# KiCad board SparkFun_GNSS_LG290P_panelized.kicad_pcb
note: Designed by: N. Seidle
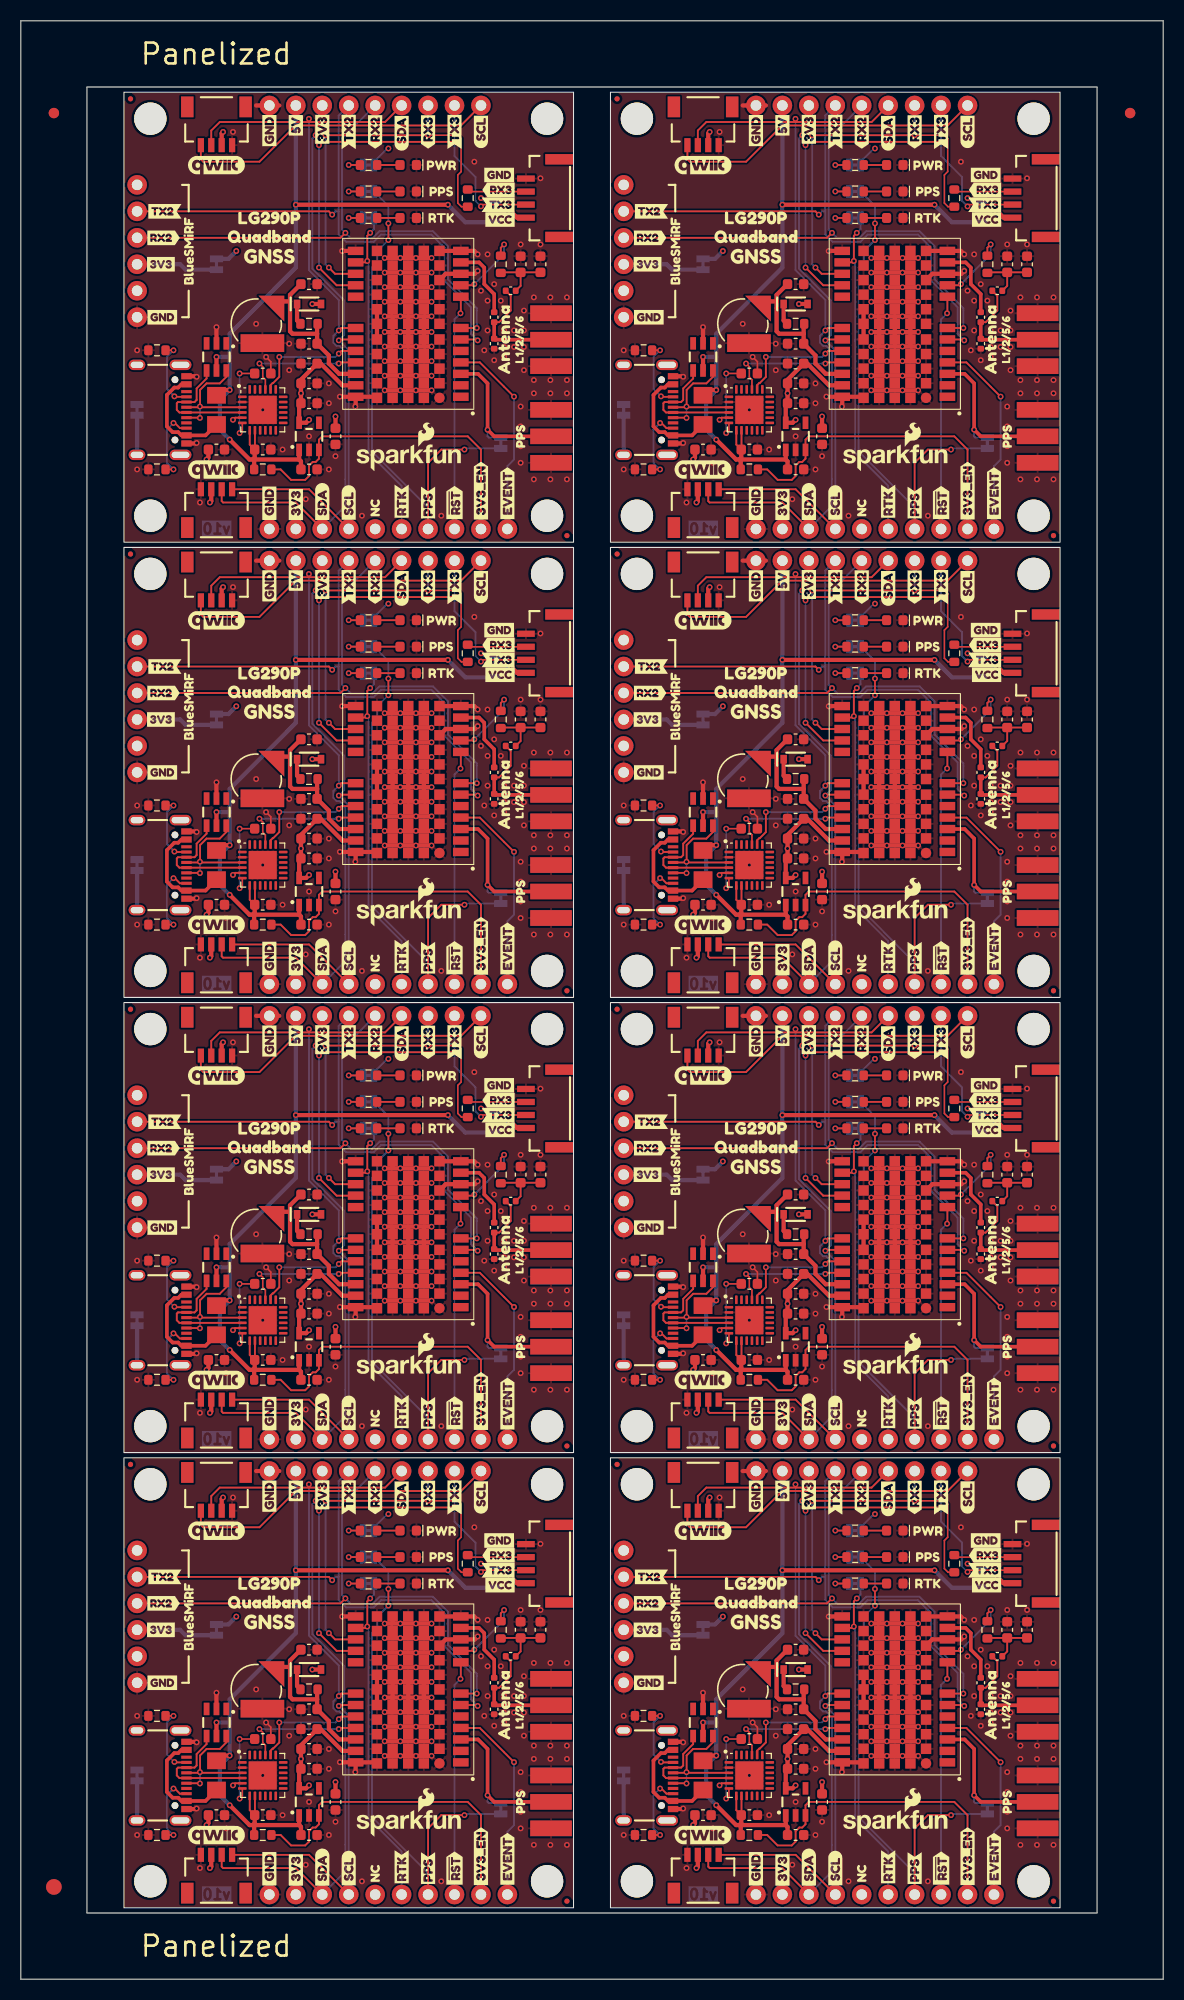
[diagram p0: board, top side]
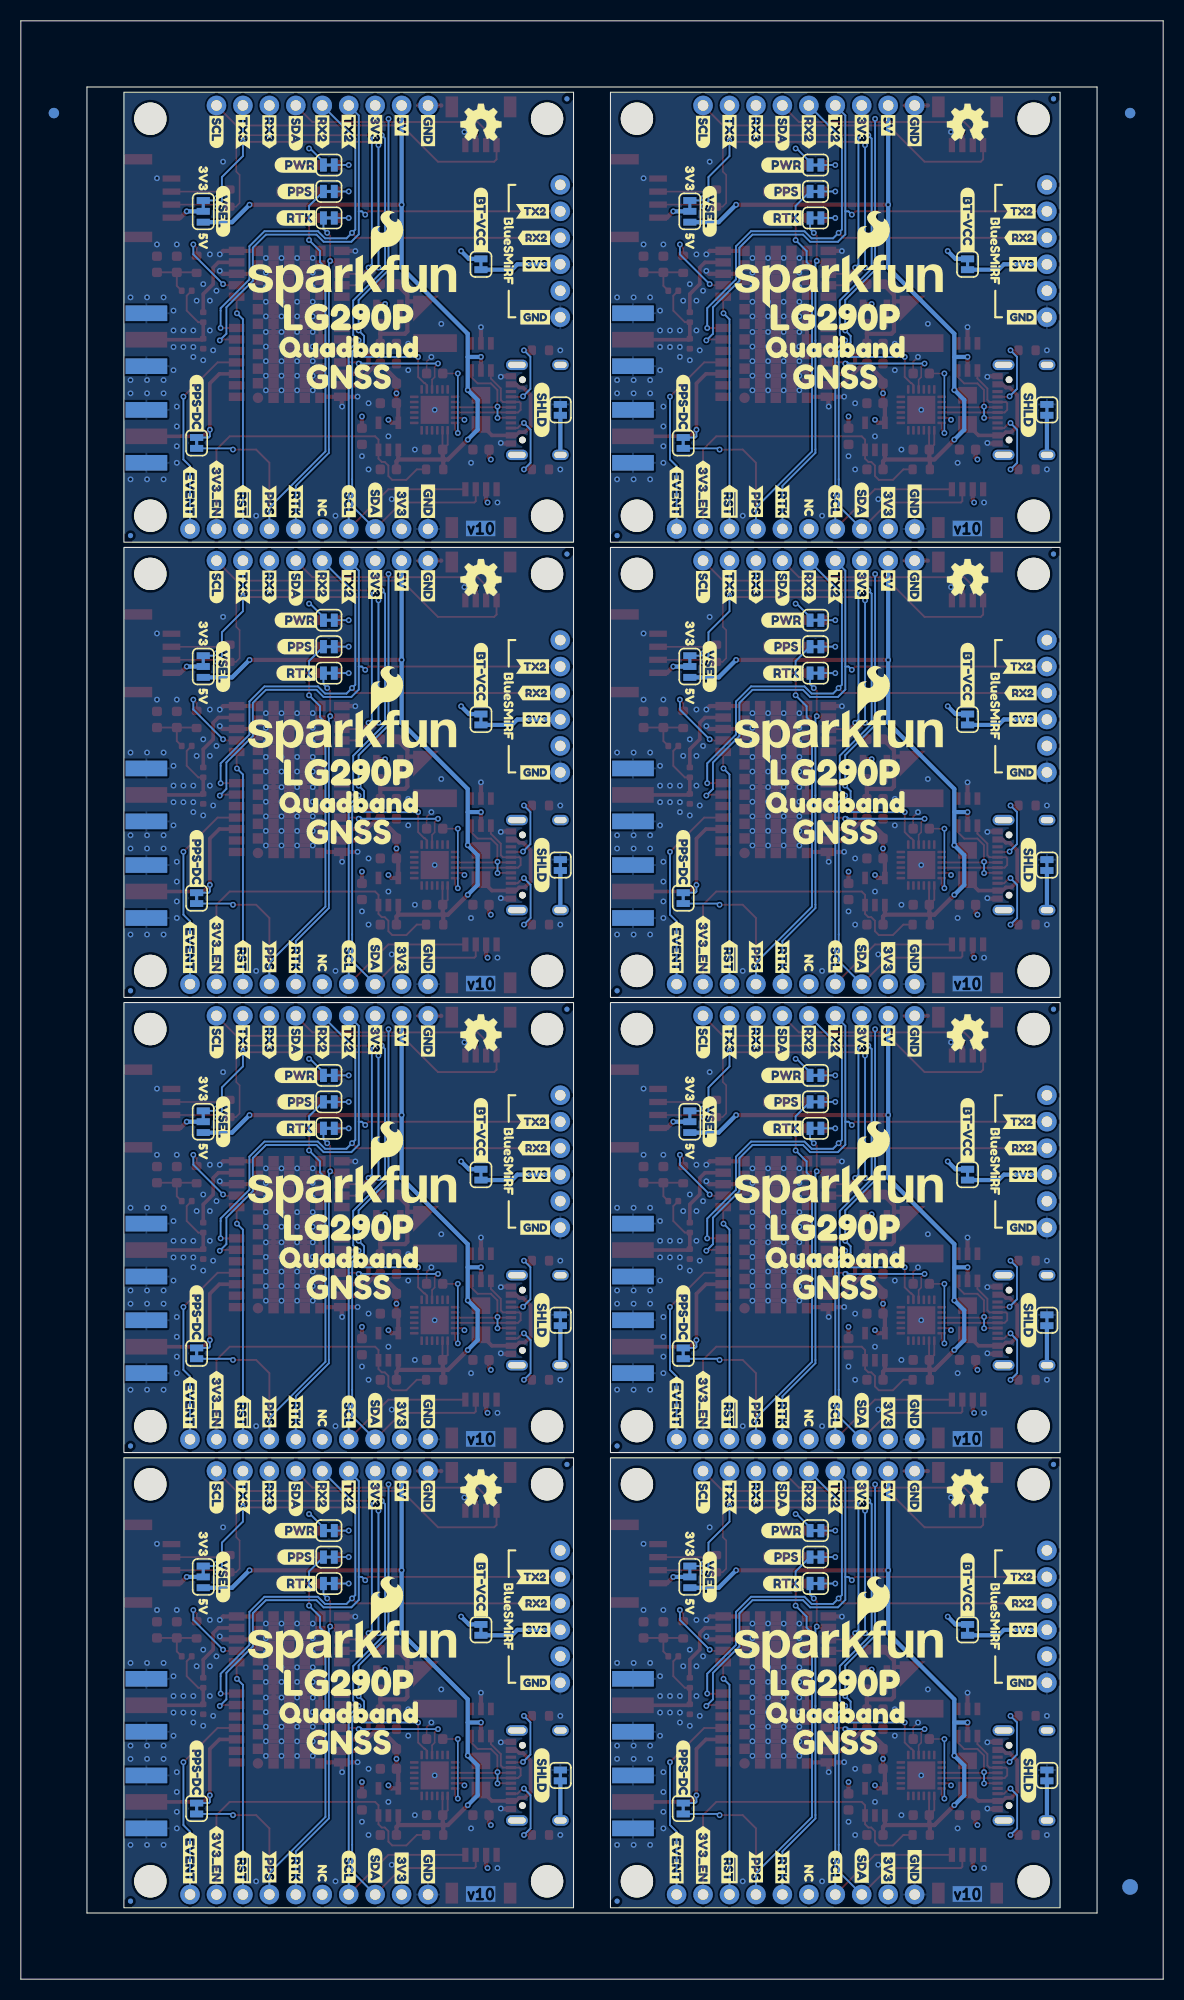
[diagram p1: board, bottom side, seen from below]

Outline 109.7 x 187.92 mm; copper layers: Top, In1.Cu, In2.Cu (plane), Bottom. Coordinates in mm from the lower left corner of the outline.
Outline path: rectangle 9.9,181.07 53.08,137.89 ; rectangle 9.9,137.39 53.08,94.21 ; rectangle 9.9,93.71 53.08,50.53 ; rectangle 9.9,50.03 53.08,6.85 ; rectangle 56.63,181.07 99.81,137.89 ; rectangle 56.63,137.39 99.81,94.21 ; rectangle 56.63,93.71 99.81,50.53 ; rectangle 56.63,50.03 99.81,6.85 ; 0,187.92 109.7,187.92 109.7,0 0,0 0,187.92 ; 6.35,181.57 103.35,181.57 103.35,6.35 6.35,6.35 6.35,181.57
Stack: Top 0.035mm / dielectric 0.1mm FR4 er 4.5 / In1.Cu 0.035mm / dielectric 1.24mm FR4 er 4.5 / In2.Cu 0.035mm / dielectric 0.1mm FR4 er 4.5 / Bottom 0.035mm

## Placement (name value [footprint] x y rotation side)
BT1  6.8mm_ML414H  [ML414H_IV01E]  22.6 115.17 0 top
BT1#2  6.8mm_ML414H  [ML414H_IV01E]  69.33 71.48 0 top
BT1#3  6.8mm_ML414H  [ML414H_IV01E]  69.33 115.17 0 top
BT1#4  6.8mm_ML414H  [ML414H_IV01E]  69.33 158.84 0 top
BT1#5  6.8mm_ML414H  [ML414H_IV01E]  22.6 71.48 0 top
BT1#6  6.8mm_ML414H  [ML414H_IV01E]  22.6 158.84 0 top
BT1#7  6.8mm_ML414H  [ML414H_IV01E]  69.33 27.81 0 top
BT1#8  6.8mm_ML414H  [ML414H_IV01E]  22.6 27.81 0 top
C1  0.1uF  [C_0603_1608Metric]  74.41 13.84 0 top
C1#2  0.1uF  [C_0603_1608Metric]  74.41 144.88 0 top
C1#3  0.1uF  [C_0603_1608Metric]  74.41 57.52 0 top
C1#4  0.1uF  [C_0603_1608Metric]  74.41 101.2 0 top
C1#5  0.1uF  [C_0603_1608Metric]  27.68 57.52 0 top
C1#6  0.1uF  [C_0603_1608Metric]  27.68 101.2 0 top
C1#7  0.1uF  [C_0603_1608Metric]  27.68 144.88 0 top
C1#8  0.1uF  [C_0603_1608Metric]  27.68 13.84 0 top
C2  10uF  [C_0603_1608Metric]  27.68 20.19 0 top
C2#2  10uF  [C_0603_1608Metric]  27.68 151.22 0 top
C2#3  10uF  [C_0603_1608Metric]  74.41 63.87 0 top
C2#4  10uF  [C_0603_1608Metric]  74.41 151.22 0 top
C2#5  10uF  [C_0603_1608Metric]  27.68 63.87 0 top
C2#6  10uF  [C_0603_1608Metric]  74.41 20.19 0 top
C2#7  10uF  [C_0603_1608Metric]  27.68 107.55 0 top
C2#8  10uF  [C_0603_1608Metric]  74.41 107.55 0 top
C3  0.1uF  [C_0603_1608Metric]  49.9 120.88 90 top
C3#2  0.1uF  [C_0603_1608Metric]  49.9 164.56 90 top
C3#3  0.1uF  [C_0603_1608Metric]  49.9 77.2 90 top
C3#4  0.1uF  [C_0603_1608Metric]  96.63 33.52 90 top
C3#5  0.1uF  [C_0603_1608Metric]  96.63 77.2 90 top
C3#6  0.1uF  [C_0603_1608Metric]  96.63 120.88 90 top
C3#7  0.1uF  [C_0603_1608Metric]  96.63 164.56 90 top
C3#8  0.1uF  [C_0603_1608Metric]  49.9 33.52 90 top
C4  100pF  [C_0603_1608Metric]  94.73 164.56 90 top
C4#2  100pF  [C_0603_1608Metric]  94.73 33.52 90 top
C4#3  100pF  [C_0603_1608Metric]  48 77.2 90 top
C4#4  100pF  [C_0603_1608Metric]  48 120.88 90 top
C4#5  100pF  [C_0603_1608Metric]  94.73 77.2 90 top
C4#6  100pF  [C_0603_1608Metric]  48 164.56 90 top
C4#7  100pF  [C_0603_1608Metric]  94.73 120.88 90 top
C4#8  100pF  [C_0603_1608Metric]  48 33.52 90 top
C5  0.1uF  [C_0603_1608Metric]  74.41 22.09 0 top
C5#2  0.1uF  [C_0603_1608Metric]  74.41 153.13 0 top
C5#3  0.1uF  [C_0603_1608Metric]  74.41 65.77 0 top
C5#4  0.1uF  [C_0603_1608Metric]  27.68 65.77 0 top
C5#5  0.1uF  [C_0603_1608Metric]  27.68 153.13 0 top
C5#6  0.1uF  [C_0603_1608Metric]  27.68 109.45 0 top
C5#7  0.1uF  [C_0603_1608Metric]  74.41 109.45 0 top
C5#8  0.1uF  [C_0603_1608Metric]  27.68 22.09 0 top
C6  100pF  [C_0402_1005Metric]  45.46 28.44 90 top
C6#2  100pF  [C_0402_1005Metric]  92.19 115.8 90 top
C6#3  100pF  [C_0402_1005Metric]  45.46 72.12 90 top
C6#4  100pF  [C_0402_1005Metric]  45.46 159.48 90 top
C6#5  100pF  [C_0402_1005Metric]  45.46 115.8 90 top
C6#6  100pF  [C_0402_1005Metric]  92.19 159.48 90 top
C6#7  100pF  [C_0402_1005Metric]  92.19 72.12 90 top
C6#8  100pF  [C_0402_1005Metric]  92.19 28.44 90 top
C7  1.0uF  [C_0603_1608Metric]  23.23 103.1 0 top
C7#2  1.0uF  [C_0603_1608Metric]  23.23 59.42 0 top
C7#3  1.0uF  [C_0603_1608Metric]  69.96 103.1 0 top
C7#4  1.0uF  [C_0603_1608Metric]  69.96 15.74 0 top
C7#5  1.0uF  [C_0603_1608Metric]  69.96 59.42 0 top
C7#6  1.0uF  [C_0603_1608Metric]  23.23 146.78 0 top
C7#7  1.0uF  [C_0603_1608Metric]  69.96 146.78 0 top
C7#8  1.0uF  [C_0603_1608Metric]  23.23 15.74 0 top
C8  33pF  [C_0603_1608Metric]  74.41 67.68 180 top
C8#2  33pF  [C_0603_1608Metric]  27.68 67.68 180 top
C8#3  33pF  [C_0603_1608Metric]  74.41 111.36 180 top
C8#4  33pF  [C_0603_1608Metric]  27.68 111.36 180 top
C8#5  33pF  [C_0603_1608Metric]  74.41 155.03 180 top
C8#6  33pF  [C_0603_1608Metric]  27.68 155.03 180 top
C8#7  33pF  [C_0603_1608Metric]  74.41 24 180 top
C8#8  33pF  [C_0603_1608Metric]  27.68 24 180 top
C9  1.0uF  [C_0603_1608Metric]  74.41 113.26 180 top
C9#2  1.0uF  [C_0603_1608Metric]  27.68 156.94 180 top
C9#3  1.0uF  [C_0603_1608Metric]  74.41 156.94 180 top
C9#4  1.0uF  [C_0603_1608Metric]  27.68 69.58 180 top
C9#5  1.0uF  [C_0603_1608Metric]  74.41 69.58 180 top
C9#6  1.0uF  [C_0603_1608Metric]  27.68 113.26 180 top
C9#7  1.0uF  [C_0603_1608Metric]  74.41 25.9 180 top
C9#8  1.0uF  [C_0603_1608Metric]  27.68 25.9 180 top
C10  0.1uF  [C_0603_1608Metric]  23.23 66.72 180 top
C10#2  0.1uF  [C_0603_1608Metric]  23.23 110.4 180 top
C10#3  0.1uF  [C_0603_1608Metric]  23.23 154.08 180 top
C10#4  0.1uF  [C_0603_1608Metric]  69.96 23.04 180 top
C10#5  0.1uF  [C_0603_1608Metric]  23.23 23.04 180 top
C10#6  0.1uF  [C_0603_1608Metric]  69.96 154.08 180 top
C10#7  0.1uF  [C_0603_1608Metric]  69.96 66.72 180 top
C10#8  0.1uF  [C_0603_1608Metric]  69.96 110.4 180 top
C13  1.0uF  [C_0603_1608Metric]  18.79 103.1 0 top
C13#2  1.0uF  [C_0603_1608Metric]  18.79 146.78 0 top
C13#3  1.0uF  [C_0603_1608Metric]  65.52 59.42 0 top
C13#4  1.0uF  [C_0603_1608Metric]  65.52 103.1 0 top
C13#5  1.0uF  [C_0603_1608Metric]  65.52 146.78 0 top
C13#6  1.0uF  [C_0603_1608Metric]  18.79 59.42 0 top
C13#7  1.0uF  [C_0603_1608Metric]  65.52 15.74 0 top
C13#8  1.0uF  [C_0603_1608Metric]  18.79 15.74 0 top
D1  Red  [LED_0603_1608Metric_Red]  37.2 43.05 180 top
D1#2  Red  [LED_0603_1608Metric_Red]  83.93 174.09 180 top
D1#3  Red  [LED_0603_1608Metric_Red]  83.93 43.05 180 top
D1#4  Red  [LED_0603_1608Metric_Red]  83.93 86.72 180 top
D1#5  Red  [LED_0603_1608Metric_Red]  37.2 130.41 180 top
D1#6  Red  [LED_0603_1608Metric_Red]  37.2 86.72 180 top
D1#7  Red  [LED_0603_1608Metric_Red]  37.2 174.09 180 top
D1#8  Red  [LED_0603_1608Metric_Red]  83.93 130.41 180 top
D2  White  [LED_0603_1608Metric_White]  37.2 125.33 180 top
D2#2  White  [LED_0603_1608Metric_White]  37.2 37.97 180 top
D2#3  White  [LED_0603_1608Metric_White]  37.2 169 180 top
D2#4  White  [LED_0603_1608Metric_White]  37.2 81.65 180 top
D2#5  White  [LED_0603_1608Metric_White]  83.93 37.97 180 top
D2#6  White  [LED_0603_1608Metric_White]  83.93 81.65 180 top
D2#7  White  [LED_0603_1608Metric_White]  83.93 125.33 180 top
D2#8  White  [LED_0603_1608Metric_White]  83.93 169 180 top
D3  PESD0402  [C_0402_1005Metric]  45.46 25.9 90 top
D3#2  PESD0402  [C_0402_1005Metric]  45.46 69.58 90 top
D3#3  PESD0402  [C_0402_1005Metric]  92.19 156.94 90 top
D3#4  PESD0402  [C_0402_1005Metric]  92.19 113.26 90 top
D3#5  PESD0402  [C_0402_1005Metric]  45.46 113.26 90 top
D3#6  PESD0402  [C_0402_1005Metric]  45.46 156.94 90 top
D3#7  PESD0402  [C_0402_1005Metric]  92.19 25.9 90 top
D3#8  PESD0402  [C_0402_1005Metric]  92.19 69.58 90 top
D4  Yellow  [LED_0603_1608Metric_Yellow]  37.2 127.87 180 top
D4#2  Yellow  [LED_0603_1608Metric_Yellow]  83.93 84.19 180 top
D4#3  Yellow  [LED_0603_1608Metric_Yellow]  83.93 171.55 180 top
D4#4  Yellow  [LED_0603_1608Metric_Yellow]  37.2 171.55 180 top
D4#5  Yellow  [LED_0603_1608Metric_Yellow]  37.2 84.19 180 top
D4#6  Yellow  [LED_0603_1608Metric_Yellow]  83.93 40.51 180 top
D4#7  Yellow  [LED_0603_1608Metric_Yellow]  83.93 127.87 180 top
D4#8  Yellow  [LED_0603_1608Metric_Yellow]  37.2 40.51 180 top
D5  PMEG4005EJ  [SOD-323]  27.68 29.71 0 top
D5#2  PMEG4005EJ  [SOD-323]  27.68 73.39 0 top
D5#3  PMEG4005EJ  [SOD-323]  27.68 160.75 0 top
D5#4  PMEG4005EJ  [SOD-323]  74.41 73.39 0 top
D5#5  PMEG4005EJ  [SOD-323]  74.41 160.75 0 top
D5#6  PMEG4005EJ  [SOD-323]  27.68 117.07 0 top
D5#7  PMEG4005EJ  [SOD-323]  74.41 117.07 0 top
D5#8  PMEG4005EJ  [SOD-323]  74.41 29.71 0 top
D6  PESD0603-240  [C_0603_1608Metric]  30.22 104.37 90 top
D6#2  PESD0603-240  [C_0603_1608Metric]  30.22 60.69 90 top
D6#3  PESD0603-240  [C_0603_1608Metric]  30.22 148.05 90 top
D6#4  PESD0603-240  [C_0603_1608Metric]  76.95 60.69 90 top
D6#5  PESD0603-240  [C_0603_1608Metric]  76.95 17.01 90 top
D6#6  PESD0603-240  [C_0603_1608Metric]  76.95 104.37 90 top
D6#7  PESD0603-240  [C_0603_1608Metric]  76.95 148.05 90 top
D6#8  PESD0603-240  [C_0603_1608Metric]  30.22 17.01 90 top
D7  PESD0603-240  [C_0603_1608Metric]  27.68 75.3 180 top
D7#2  PESD0603-240  [C_0603_1608Metric]  74.41 162.66 180 top
D7#3  PESD0603-240  [C_0603_1608Metric]  74.41 31.62 180 top
D7#4  PESD0603-240  [C_0603_1608Metric]  27.68 118.98 180 top
D7#5  PESD0603-240  [C_0603_1608Metric]  27.68 162.66 180 top
D7#6  PESD0603-240  [C_0603_1608Metric]  74.41 75.3 180 top
D7#7  PESD0603-240  [C_0603_1608Metric]  74.41 118.98 180 top
D7#8  PESD0603-240  [C_0603_1608Metric]  27.68 31.62 180 top
F1  6V/0.75A/1.5A  [1206]  18.79 150.59 90 top
F1#2  6V/0.75A/1.5A  [1206]  65.52 19.55 90 top
F1#3  6V/0.75A/1.5A  [1206]  18.79 63.23 90 top
F1#4  6V/0.75A/1.5A  [1206]  65.52 63.23 90 top
F1#5  6V/0.75A/1.5A  [1206]  18.79 106.91 90 top
F1#6  6V/0.75A/1.5A  [1206]  65.52 106.91 90 top
F1#7  6V/0.75A/1.5A  [1206]  65.52 150.59 90 top
F1#8  6V/0.75A/1.5A  [1206]  18.79 19.55 90 top
FID1  Fiducial_0.5mm  [Fiducial_0.5mm_Mask1mm]  99.17 138.53 180 bottom
FID1#2  Fiducial_0.5mm  [Fiducial_0.5mm_Mask1mm]  52.44 51.17 180 bottom
FID1#3  Fiducial_0.5mm  [Fiducial_0.5mm_Mask1mm]  52.44 94.84 180 bottom
FID1#4  Fiducial_0.5mm  [Fiducial_0.5mm_Mask1mm]  52.44 138.53 180 bottom
FID1#5  Fiducial_0.5mm  [Fiducial_0.5mm_Mask1mm]  99.17 94.84 180 bottom
FID1#6  Fiducial_0.5mm  [Fiducial_0.5mm_Mask1mm]  99.17 7.48 180 bottom
FID1#7  Fiducial_0.5mm  [Fiducial_0.5mm_Mask1mm]  99.17 51.17 180 bottom
FID1#8  Fiducial_0.5mm  [Fiducial_0.5mm_Mask1mm]  52.44 7.48 180 bottom
FID2  Fiducial_0.5mm  [Fiducial_0.5mm_Mask1mm]  57.26 136.75 180 bottom
FID2#2  Fiducial_0.5mm  [Fiducial_0.5mm_Mask1mm]  10.53 136.75 180 bottom
FID2#3  Fiducial_0.5mm  [Fiducial_0.5mm_Mask1mm]  10.53 93.08 180 bottom
FID2#4  Fiducial_0.5mm  [Fiducial_0.5mm_Mask1mm]  10.53 180.44 180 bottom
FID2#5  Fiducial_0.5mm  [Fiducial_0.5mm_Mask1mm]  57.26 49.39 180 bottom
FID2#6  Fiducial_0.5mm  [Fiducial_0.5mm_Mask1mm]  57.26 93.08 180 bottom
FID2#7  Fiducial_0.5mm  [Fiducial_0.5mm_Mask1mm]  57.26 180.44 180 bottom
FID2#8  Fiducial_0.5mm  [Fiducial_0.5mm_Mask1mm]  10.53 49.39 180 bottom
FID3  Fiducial_0.5mm  [Fiducial_0.5mm_Mask1mm]  57.26 136.75 0 top
FID3#2  Fiducial_0.5mm  [Fiducial_0.5mm_Mask1mm]  10.53 180.44 0 top
FID3#3  Fiducial_0.5mm  [Fiducial_0.5mm_Mask1mm]  10.53 136.75 0 top
FID3#4  Fiducial_0.5mm  [Fiducial_0.5mm_Mask1mm]  10.53 93.08 0 top
FID3#5  Fiducial_0.5mm  [Fiducial_0.5mm_Mask1mm]  57.26 49.39 0 top
FID3#6  Fiducial_0.5mm  [Fiducial_0.5mm_Mask1mm]  57.26 93.08 0 top
FID3#7  Fiducial_0.5mm  [Fiducial_0.5mm_Mask1mm]  57.26 180.44 0 top
FID3#8  Fiducial_0.5mm  [Fiducial_0.5mm_Mask1mm]  10.53 49.39 0 top
FID4  Fiducial_0.5mm  [Fiducial_0.5mm_Mask1mm]  52.44 7.48 0 top
FID4#2  Fiducial_0.5mm  [Fiducial_0.5mm_Mask1mm]  52.44 51.17 0 top
FID4#3  Fiducial_0.5mm  [Fiducial_0.5mm_Mask1mm]  99.17 94.84 0 top
FID4#4  Fiducial_0.5mm  [Fiducial_0.5mm_Mask1mm]  99.17 138.53 0 top
FID4#5  Fiducial_0.5mm  [Fiducial_0.5mm_Mask1mm]  52.44 94.84 0 top
FID4#6  Fiducial_0.5mm  [Fiducial_0.5mm_Mask1mm]  99.17 7.48 0 top
FID4#7  Fiducial_0.5mm  [Fiducial_0.5mm_Mask1mm]  99.17 51.17 0 top
FID4#8  Fiducial_0.5mm  [Fiducial_0.5mm_Mask1mm]  52.44 138.53 0 top
G1  OSHW_Logo  [Creative_Commons_License]  107.05 -35.06 0 top
G***  LOGO  [qwiic_5.5mm]  18.79 130.41 0 top
G***#2  LOGO  [qwiic_5.5mm]  65.52 43.05 0 top
G***#3  LOGO  [qwiic_5.5mm]  65.52 174.09 0 top
G***#4  LOGO  [qwiic_5.5mm]  18.79 86.72 0 top
G***#5  LOGO  [qwiic_5.5mm]  18.79 174.09 0 top
G***#6  LOGO  [qwiic_5.5mm]  65.52 86.72 0 top
G***#7  LOGO  [qwiic_5.5mm]  65.52 130.41 0 top
G***#8  LOGO  [qwiic_5.5mm]  18.79 43.05 0 top
G***#9  LOGO  [qwiic_5.5mm]  65.52 13.84 0 top
G***#10  LOGO  [qwiic_5.5mm]  18.79 144.88 0 top
G***#11  LOGO  [qwiic_5.5mm]  18.79 57.52 0 top
G***#12  LOGO  [qwiic_5.5mm]  18.79 101.2 0 top
G***#13  LOGO  [qwiic_5.5mm]  65.52 57.52 0 top
G***#14  LOGO  [qwiic_5.5mm]  65.52 101.2 0 top
G***#15  LOGO  [qwiic_5.5mm]  65.52 144.88 0 top
G***#16  LOGO  [qwiic_5.5mm]  18.79 13.84 0 top
G***#17  LOGO  [SparkFun_Logo_10mm]  83.93 58.78 0 top
G***#18  LOGO  [SparkFun_Logo_10mm]  83.93 15.11 0 top
G***#19  LOGO  [SparkFun_Logo_10mm]  37.2 102.47 0 top
G***#20  LOGO  [SparkFun_Logo_10mm]  37.2 146.15 0 top
G***#21  LOGO  [SparkFun_Logo_10mm]  83.93 146.15 0 top
G***#22  LOGO  [SparkFun_Logo_10mm]  37.2 58.78 0 top
G***#23  LOGO  [SparkFun_Logo_10mm]  83.93 102.47 0 top
G***#24  LOGO  [SparkFun_Logo_10mm]  37.2 15.11 0 top
G***#25  LOGO  [SparkFun_Logo_20mm]  78.22 163.29 180 bottom
G***#26  LOGO  [SparkFun_Logo_20mm]  31.49 119.61 180 bottom
G***#27  LOGO  [SparkFun_Logo_20mm]  31.49 163.29 180 bottom
G***#28  LOGO  [SparkFun_Logo_20mm]  78.22 75.93 180 bottom
G***#29  LOGO  [SparkFun_Logo_20mm]  31.49 75.93 180 bottom
G***#30  LOGO  [SparkFun_Logo_20mm]  78.22 119.61 180 bottom
G***#31  LOGO  [SparkFun_Logo_20mm]  78.22 32.25 180 bottom
G***#32  LOGO  [SparkFun_Logo_20mm]  31.49 32.25 180 bottom
J1  USB_C_Receptacle  [USB-C_16]  62.98 19.55 270 top
J1#2  USB_C_Receptacle  [USB-C_16]  16.25 63.23 270 top
J1#3  USB_C_Receptacle  [USB-C_16]  62.98 63.23 270 top
J1#4  USB_C_Receptacle  [USB-C_16]  16.25 106.91 270 top
J1#5  USB_C_Receptacle  [USB-C_16]  62.98 150.59 270 top
J1#6  USB_C_Receptacle  [USB-C_16]  16.25 150.59 270 top
J1#7  USB_C_Receptacle  [USB-C_16]  62.98 106.91 270 top
J1#8  USB_C_Receptacle  [USB-C_16]  16.25 19.55 270 top
J2  Conn_01x06  [1x06]  11.17 172.18 270 top
J2#2  Conn_01x06  [1x06]  57.9 41.14 270 top
J2#3  Conn_01x06  [1x06]  11.17 84.82 270 top
J2#4  Conn_01x06  [1x06]  11.17 128.5 270 top
J2#5  Conn_01x06  [1x06]  57.9 84.82 270 top
J2#6  Conn_01x06  [1x06]  57.9 172.18 270 top
J2#7  Conn_01x06  [1x06]  57.9 128.5 270 top
J2#8  Conn_01x06  [1x06]  11.17 41.14 270 top
J3  -  [SMA_Edge]  50.92 104.37 270 top  (not fitted)
J3#2  -  [SMA_Edge]  50.92 148.05 270 top  (not fitted)
J3#3  -  [SMA_Edge]  97.65 60.69 270 top  (not fitted)
J3#4  -  [SMA_Edge]  97.65 17.01 270 top  (not fitted)
J3#5  -  [SMA_Edge]  97.65 148.05 270 top  (not fitted)
J3#6  -  [SMA_Edge]  50.92 60.69 270 top  (not fitted)
J3#7  -  [SMA_Edge]  97.65 104.37 270 top  (not fitted)
J3#8  -  [SMA_Edge]  50.92 17.01 270 top  (not fitted)
J4  Qwiic_RA  [JST_SMD_1.0mm-4_RA]  18.79 11.93 0 top
J4#2  Qwiic_RA  [JST_SMD_1.0mm-4_RA]  18.79 142.97 0 top
J4#3  Qwiic_RA  [JST_SMD_1.0mm-4_RA]  18.79 55.61 0 top
J4#4  Qwiic_RA  [JST_SMD_1.0mm-4_RA]  18.79 99.29 0 top
J4#5  Qwiic_RA  [JST_SMD_1.0mm-4_RA]  65.52 142.97 0 top
J4#6  Qwiic_RA  [JST_SMD_1.0mm-4_RA]  65.52 11.93 0 top
J4#7  Qwiic_RA  [JST_SMD_1.0mm-4_RA]  65.52 55.61 0 top
J4#8  Qwiic_RA  [JST_SMD_1.0mm-4_RA]  65.52 99.29 0 top
J5  -  [SMA_Edge]  50.92 26.28 270 top
J5#2  -  [SMA_Edge]  50.92 113.64 270 top
J5#3  -  [SMA_Edge]  97.65 69.96 270 top
J5#4  -  [SMA_Edge]  50.92 69.96 270 top
J5#5  -  [SMA_Edge]  97.65 113.64 270 top
J5#6  -  [SMA_Edge]  97.65 26.28 270 top
J5#7  -  [SMA_Edge]  50.92 157.32 270 top
J5#8  -  [SMA_Edge]  97.65 157.32 270 top
J6  Conn_01x09  [1x09]  44.19 48.76 180 top
J6#2  Conn_01x09  [1x09]  44.19 92.44 180 top
J6#3  Conn_01x09  [1x09]  90.92 92.44 180 top
J6#4  Conn_01x09  [1x09]  44.19 179.8 180 top
J6#5  Conn_01x09  [1x09]  90.92 179.8 180 top
J6#6  Conn_01x09  [1x09]  90.92 48.76 180 top
J6#7  Conn_01x09  [1x09]  90.92 136.12 180 top
J6#8  Conn_01x09  [1x09]  44.19 136.12 180 top
J7  Qwiic_RA  [JST_SMD_1.0mm-4_RA]  65.52 175.99 180 top
J7#2  Qwiic_RA  [JST_SMD_1.0mm-4_RA]  65.52 88.63 180 top
J7#3  Qwiic_RA  [JST_SMD_1.0mm-4_RA]  18.79 88.63 180 top
J7#4  Qwiic_RA  [JST_SMD_1.0mm-4_RA]  18.79 175.99 180 top
J7#5  Qwiic_RA  [JST_SMD_1.0mm-4_RA]  65.52 44.95 180 top
J7#6  Qwiic_RA  [JST_SMD_1.0mm-4_RA]  18.79 132.31 180 top
J7#7  Qwiic_RA  [JST_SMD_1.0mm-4_RA]  65.52 132.31 180 top
J7#8  Qwiic_RA  [JST_SMD_1.0mm-4_RA]  18.79 44.95 180 top
J8  JST_Locking_4  [JST_SMD_1.25mm-4_Locking]  51.81 39.87 90 top
J8#2  JST_Locking_4  [JST_SMD_1.25mm-4_Locking]  51.81 170.91 90 top
J8#3  JST_Locking_4  [JST_SMD_1.25mm-4_Locking]  51.81 83.55 90 top
J8#4  JST_Locking_4  [JST_SMD_1.25mm-4_Locking]  51.81 127.23 90 top
J8#5  JST_Locking_4  [JST_SMD_1.25mm-4_Locking]  98.54 39.87 90 top
J8#6  JST_Locking_4  [JST_SMD_1.25mm-4_Locking]  98.54 83.55 90 top
J8#7  JST_Locking_4  [JST_SMD_1.25mm-4_Locking]  98.54 127.23 90 top
J8#8  JST_Locking_4  [JST_SMD_1.25mm-4_Locking]  98.54 170.91 90 top
J9  I2C  [1x04]  23.87 8.12 0 top
J9#2  I2C  [1x04]  70.6 8.12 0 top
J9#3  I2C  [1x04]  23.87 51.8 0 top
J9#4  I2C  [1x04]  23.87 95.48 0 top
J9#5  I2C  [1x04]  23.87 139.16 0 top
J9#6  I2C  [1x04]  70.6 51.8 0 top
J9#7  I2C  [1x04]  70.6 95.48 0 top
J9#8  I2C  [1x04]  70.6 139.16 0 top
J10  Conn_01x06  [1x06]  80.76 95.48 0 top
J10#2  Conn_01x06  [1x06]  80.76 8.12 0 top
J10#3  Conn_01x06  [1x06]  80.76 51.8 0 top
J10#4  Conn_01x06  [1x06]  80.76 139.16 0 top
J10#5  Conn_01x06  [1x06]  34.03 139.16 0 top
J10#6  Conn_01x06  [1x06]  34.03 51.8 0 top
J10#7  Conn_01x06  [1x06]  34.03 95.48 0 top
J10#8  Conn_01x06  [1x06]  34.03 8.12 0 top
JP1  BT-VCC  [Jumper_2_NC_Trace]  18.79 120.88 90 bottom
JP1#2  BT-VCC  [Jumper_2_NC_Trace]  65.52 33.52 90 bottom
JP1#3  BT-VCC  [Jumper_2_NC_Trace]  18.79 77.2 90 bottom
JP1#4  BT-VCC  [Jumper_2_NC_Trace]  18.79 164.56 90 bottom
JP1#5  BT-VCC  [Jumper_2_NC_Trace]  65.52 164.56 90 bottom
JP1#6  BT-VCC  [Jumper_2_NC_Trace]  65.52 77.2 90 bottom
JP1#7  BT-VCC  [Jumper_2_NC_Trace]  65.52 120.88 90 bottom
JP1#8  BT-VCC  [Jumper_2_NC_Trace]  18.79 33.52 90 bottom
JP2  PWR  [Jumper_2_NC_Trace]  33.39 43.05 0 bottom
JP2#2  PWR  [Jumper_2_NC_Trace]  33.39 130.41 0 bottom
JP2#3  PWR  [Jumper_2_NC_Trace]  80.12 130.41 0 bottom
JP2#4  PWR  [Jumper_2_NC_Trace]  80.12 174.09 0 bottom
JP2#5  PWR  [Jumper_2_NC_Trace]  33.39 86.72 0 bottom
JP2#6  PWR  [Jumper_2_NC_Trace]  33.39 174.09 0 bottom
JP2#7  PWR  [Jumper_2_NC_Trace]  80.12 43.05 0 bottom
JP2#8  PWR  [Jumper_2_NC_Trace]  80.12 86.72 0 bottom
JP3  PPS  [Jumper_2_NC_Trace]  33.39 40.51 0 bottom
JP3#2  PPS  [Jumper_2_NC_Trace]  80.12 84.19 0 bottom
JP3#3  PPS  [Jumper_2_NC_Trace]  33.39 171.55 0 bottom
JP3#4  PPS  [Jumper_2_NC_Trace]  33.39 84.19 0 bottom
JP3#5  PPS  [Jumper_2_NC_Trace]  33.39 127.87 0 bottom
JP3#6  PPS  [Jumper_2_NC_Trace]  80.12 40.51 0 bottom
JP3#7  PPS  [Jumper_2_NC_Trace]  80.12 127.87 0 bottom
JP3#8  PPS  [Jumper_2_NC_Trace]  80.12 171.55 0 bottom
JP4  VSEL  [Jumper_3_NC-1_Trace]  45.46 38.6 270 bottom
JP4#2  VSEL  [Jumper_3_NC-1_Trace]  45.46 82.28 270 bottom
JP4#3  VSEL  [Jumper_3_NC-1_Trace]  45.46 125.96 270 bottom
JP4#4  VSEL  [Jumper_3_NC-1_Trace]  45.46 169.64 270 bottom
JP4#5  VSEL  [Jumper_3_NC-1_Trace]  92.19 38.6 270 bottom
JP4#6  VSEL  [Jumper_3_NC-1_Trace]  92.19 125.96 270 bottom
JP4#7  VSEL  [Jumper_3_NC-1_Trace]  92.19 82.28 270 bottom
JP4#8  VSEL  [Jumper_3_NC-1_Trace]  92.19 169.64 270 bottom
JP5  RTK  [Jumper_2_NC_Trace]  33.39 37.97 0 bottom
JP5#2  RTK  [Jumper_2_NC_Trace]  80.12 169 0 bottom
JP5#3  RTK  [Jumper_2_NC_Trace]  33.39 81.65 0 bottom
JP5#4  RTK  [Jumper_2_NC_Trace]  80.12 37.97 0 bottom
JP5#5  RTK  [Jumper_2_NC_Trace]  80.12 125.33 0 bottom
JP5#6  RTK  [Jumper_2_NC_Trace]  33.39 169 0 bottom
JP5#7  RTK  [Jumper_2_NC_Trace]  33.39 125.33 0 bottom
JP5#8  RTK  [Jumper_2_NC_Trace]  80.12 81.65 0 bottom
JP6  PPS-DC  [Jumper_2_NC_Trace]  46.09 16.38 270 bottom
JP6#2  PPS-DC  [Jumper_2_NC_Trace]  92.82 60.06 270 bottom
JP6#3  PPS-DC  [Jumper_2_NC_Trace]  92.82 103.73 270 bottom
JP6#4  PPS-DC  [Jumper_2_NC_Trace]  92.82 147.41 270 bottom
JP6#5  PPS-DC  [Jumper_2_NC_Trace]  46.09 103.73 270 bottom
JP6#6  PPS-DC  [Jumper_2_NC_Trace]  46.09 147.41 270 bottom
JP6#7  PPS-DC  [Jumper_2_NC_Trace]  92.82 16.38 270 bottom
JP6#8  PPS-DC  [Jumper_2_NC_Trace]  46.09 60.06 270 bottom
JP7  ~  [Jumper_2_NC_Trace]  11.16 19.55 270 bottom
JP7#2  ~  [Jumper_2_NC_Trace]  11.16 63.23 270 bottom
JP7#3  ~  [Jumper_2_NC_Trace]  57.89 19.55 270 bottom
JP7#4  ~  [Jumper_2_NC_Trace]  11.16 106.91 270 bottom